# Altium PCB CMRat_GEN2.8.PcbDoc (part 4 of 4)
Units mm, origin at the board's own origin, x right, y up, seen from the top; angles counter-clockwise.
Board outline 120 x 55 mm, 4 copper layers (L1 [TOP], L2, L3, L4 [BOT]), stack 1.564 mm thick; 209 components, 138 nets, 839 pads, 645 vias.
Unrouted connection lines stored in the file: 141.
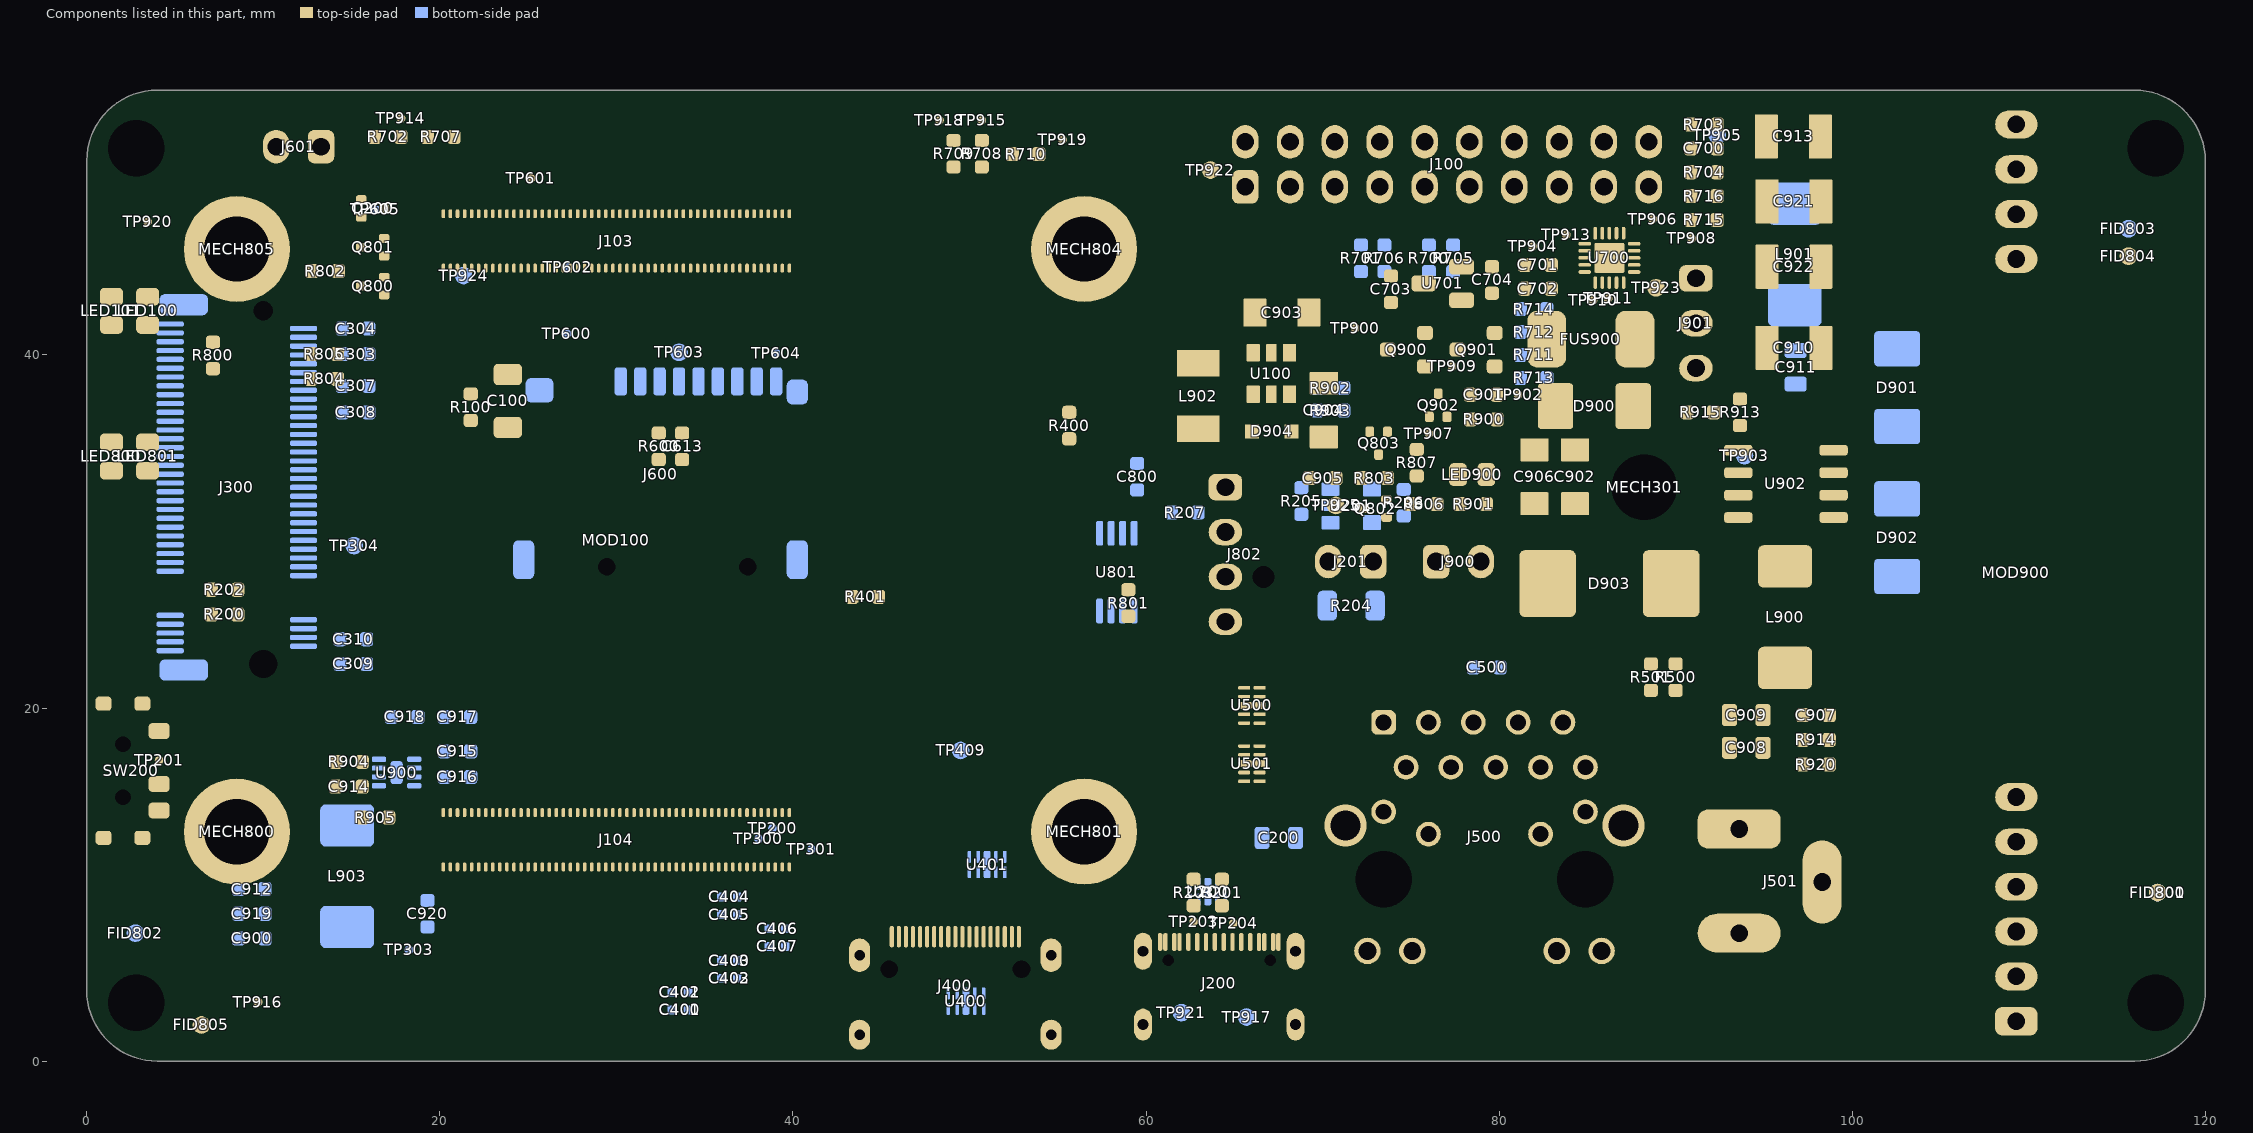
[diagram p6: the components of this part, seen from the top]

## Keep-outs (continued)
Keep-Out Layer:
  circle w0.05: c45.45,5.2 r0.8
  circle w0.05: c52.95,5.2 r0.8
  circle w0.05: c117.2,3.3 r2
  circle w0.05: c37.45,28 r1
  circle w0.05: c29.45,28 r1
  circle w0.05: c2.8,51.7 r2
  circle w0.05: c117.2,51.7 r2
  circle w0.05: c2.8,3.3 r2
  circle w0.05: c66.66,27.43 r1
  circle w0.05: c2.05,14.95 r0.8
  circle w0.05: c2.05,17.95 r0.8
  circle w0.05: c84.89,10.3 r2
  circle w0.05: c73.46,10.3 r2
  circle w0.05: c67.04,5.725 r0.55
  circle w0.05: c61.26,5.725 r0.65
  circle w0.05: c10,22.5 r1.1
  lines w0.05: 9.243,42.886 ccw(c10,42.5) 10.249,43.313
  lines w0.25: 82.6,3.9 98.2,3.9 101,6.7 101,21 104.5,24.5 106,26 106,41.9 106.6,42.5 110,42.5 111.6,44.1 111.6,55

## Silkscreen, mask and mechanical layers (free items; w line width, h text height)
Silk [TOP]:
  drawing of 72 lines, arcs and shapes, not listed
  text "GPIO PORT" at 73.1,53.6 h1.4
  text ".PCBMarking" at 23.1,51.15 h2
  text "Radxa / Lite" at 5.3,50.9 h1.2
  text "4A" at 81.95,39.325 h1.5 r90
  text "ACT" at 2.15,37.45 h1.5 r90
  text "PWR" at 4.2,37.45 h1.5 r90
  text "UPDI" at 89.225,35.05 h1.5
  text "PWR" at 77.025,34.225 h1.5
  text "USR1" at 2.15,28.95 h1.5 r90
  text "USR2" at 4.2,28.95 h1.5 r90
  text "USB PWR" at 68.2,25.2 h1.5
  text "PBC DIS" at 74.9,25.2 h1.5
  text "FAN #1" at 61.1,21.95 h1.5
  text "Gigabit Ethernet" at 73.1,21.2 h1.7
  text "OS BOOT" at 0.3,21.1 h1
  text "USBC" at 0,10 h1
  text "USB 2.0" at 58.6,0.8 h1.5 r90
  text "HDMI / (DEBUG)" at 42.55,0.55 h1.5 r90
Silk [BOT]:
  drawing of 51 lines, arcs and shapes, not listed
  text "M.2 M-Key (PCIe x1)" at 2.8,41.9 h2 r90
  text "Install NVMe PCIe 2280 SSD Drive only" at 64.9,41.05 h1.6
  text "MicroSD CARD" at 38,22 h1.7
M01 BoardOutline:
  the board outline again, w0.1
M15 Reserved:
  circle w0.1: c117.2,51.7 r4.1
  circle w0.1: c117.2,3.3 r4.1
  circle w0.1: c2.8,3.3 r4.1
  circle w0.1: c2.8,51.7 r1.6
  circle w0.1: c117.2,51.7 r1.6
  circle w0.1: c117.2,3.3 r1.6
  circle w0.1: c2.8,3.3 r1.6
  circle w0.1: c2.8,51.7 r4.1
M17 3DBodyTop:
  lines w0.1: 102,-4.5 102,57.5
M19 AssemblySMDTop:
  text "SMD ASSEMBLY (TOP VIEW)" at 20.7,58 h5
M20 AssemblySMDBot:
  text "SMD ASSEMBLY (BOT VIEW)" at 90.1,59.9 h5
M21 AssemblyTHTTop:
  text "THT ASSEMBLY (TOP VIEW)" at 21.1,63.4 h5
M23 CourtyardTop:
  lines w0.1: -0.75,29.5 8.5,29.5 ; 8.5,13 8.5,46

## Dimensions
4,0 to 4,55 on M10 Dimensions
0,51 to 120,51 on M10 Dimensions

## Text inside footprints (layer, text, board x,y; h text height)
J200: M17 3DBodyTop "PCB Edge" at 61.95,-1.65 h0.61
J400: M02 PanelOutline "PCB Edge" at 47.369,-0.406 h0.61
PCB801: L2 "2" at 113.8,8.3 h1 r90; L4 [BOT] "4" at 113.8,11.95 h1 r90; L3 "3" at 113.8,10.1 h1 r90; L1 [TOP] "1" at 113.8,6.7 h1 r90